# Altium PCB Cell Characterization Board V1.1.PcbDoc (part 1 of 2)
Units mm, origin at the board's own origin, x right, y up, seen from the top; angles counter-clockwise.
Board outline 178.87 x 183.46 mm, 4 copper layers (Top Layer, GND Plane, Power Plane, Bottom Layer), stack 1.746 mm thick; 105 components, 79 nets, 412 pads, 626 vias.
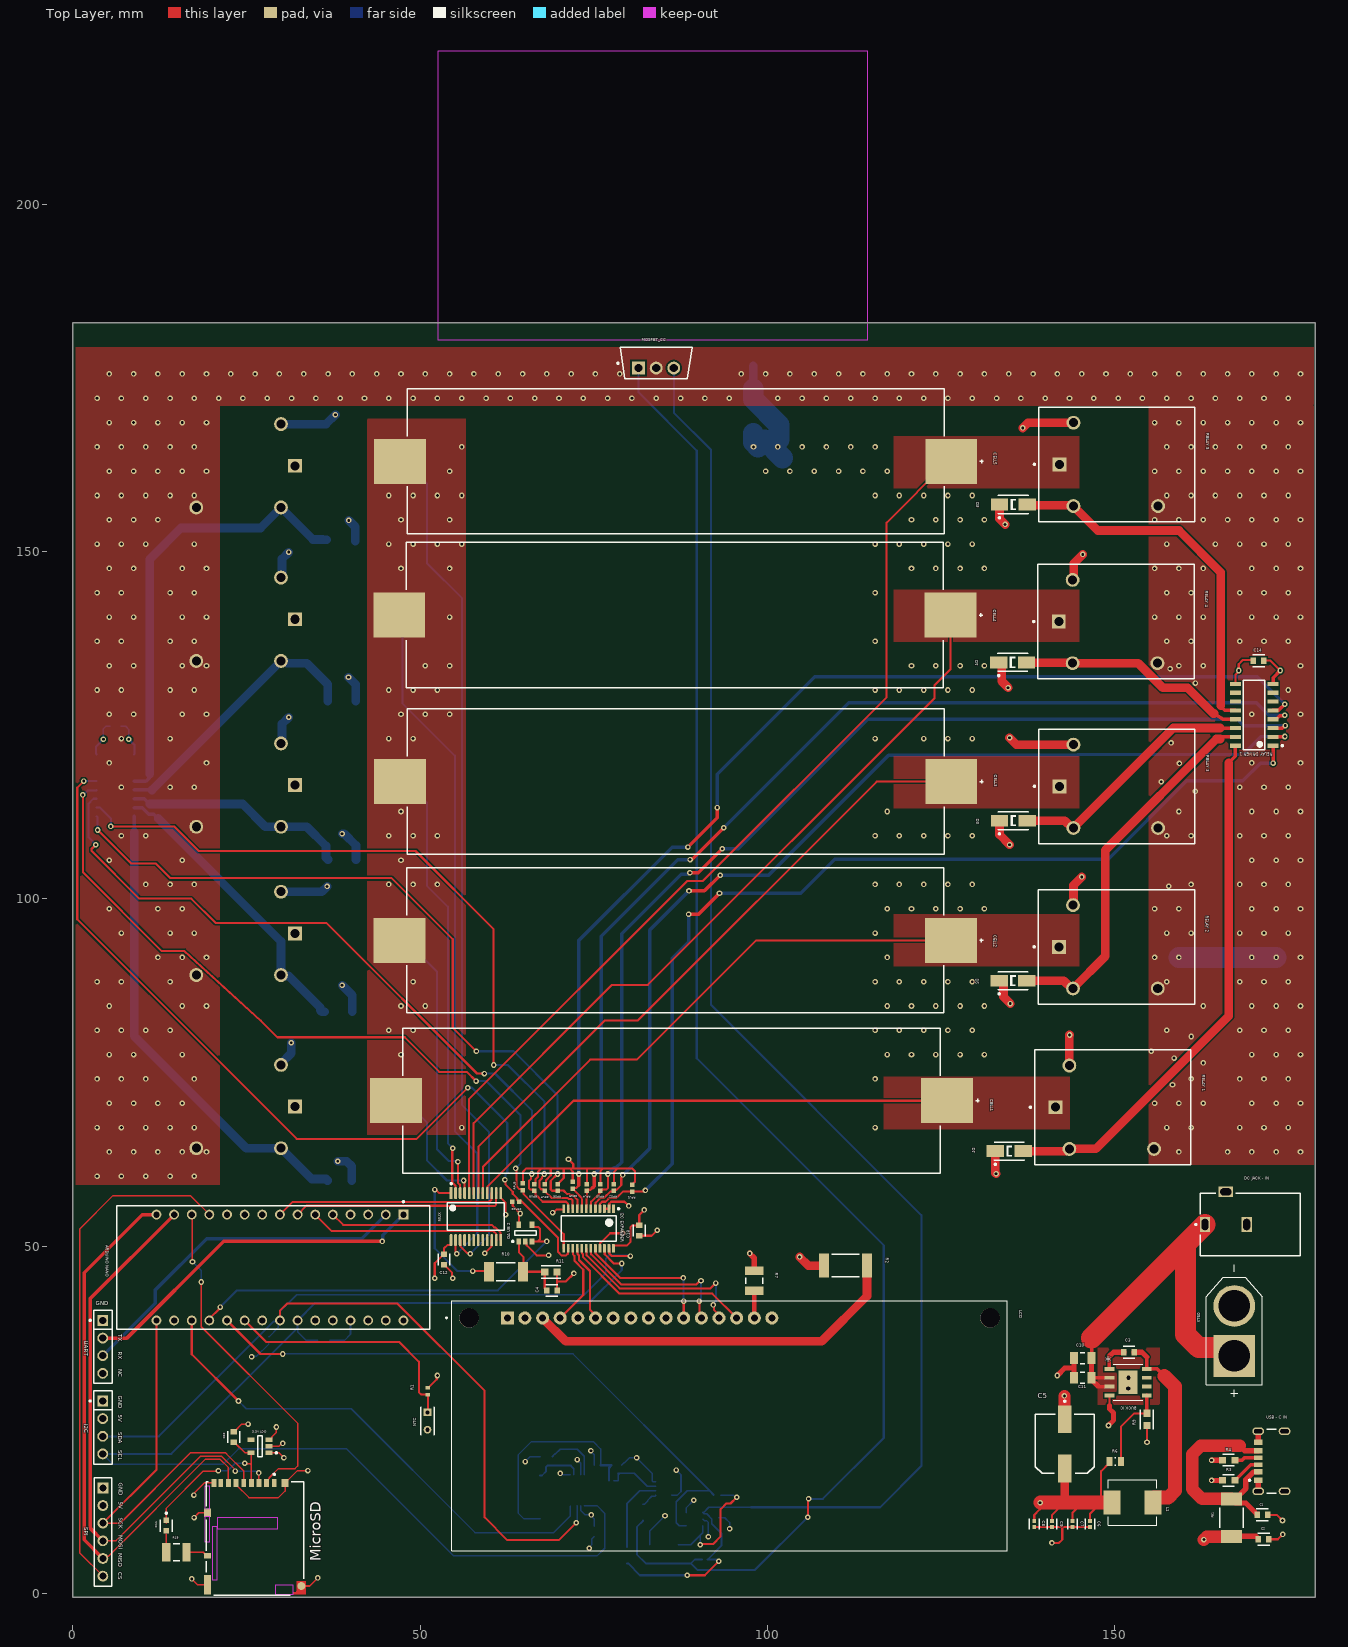
[diagram p0: Top Layer view]
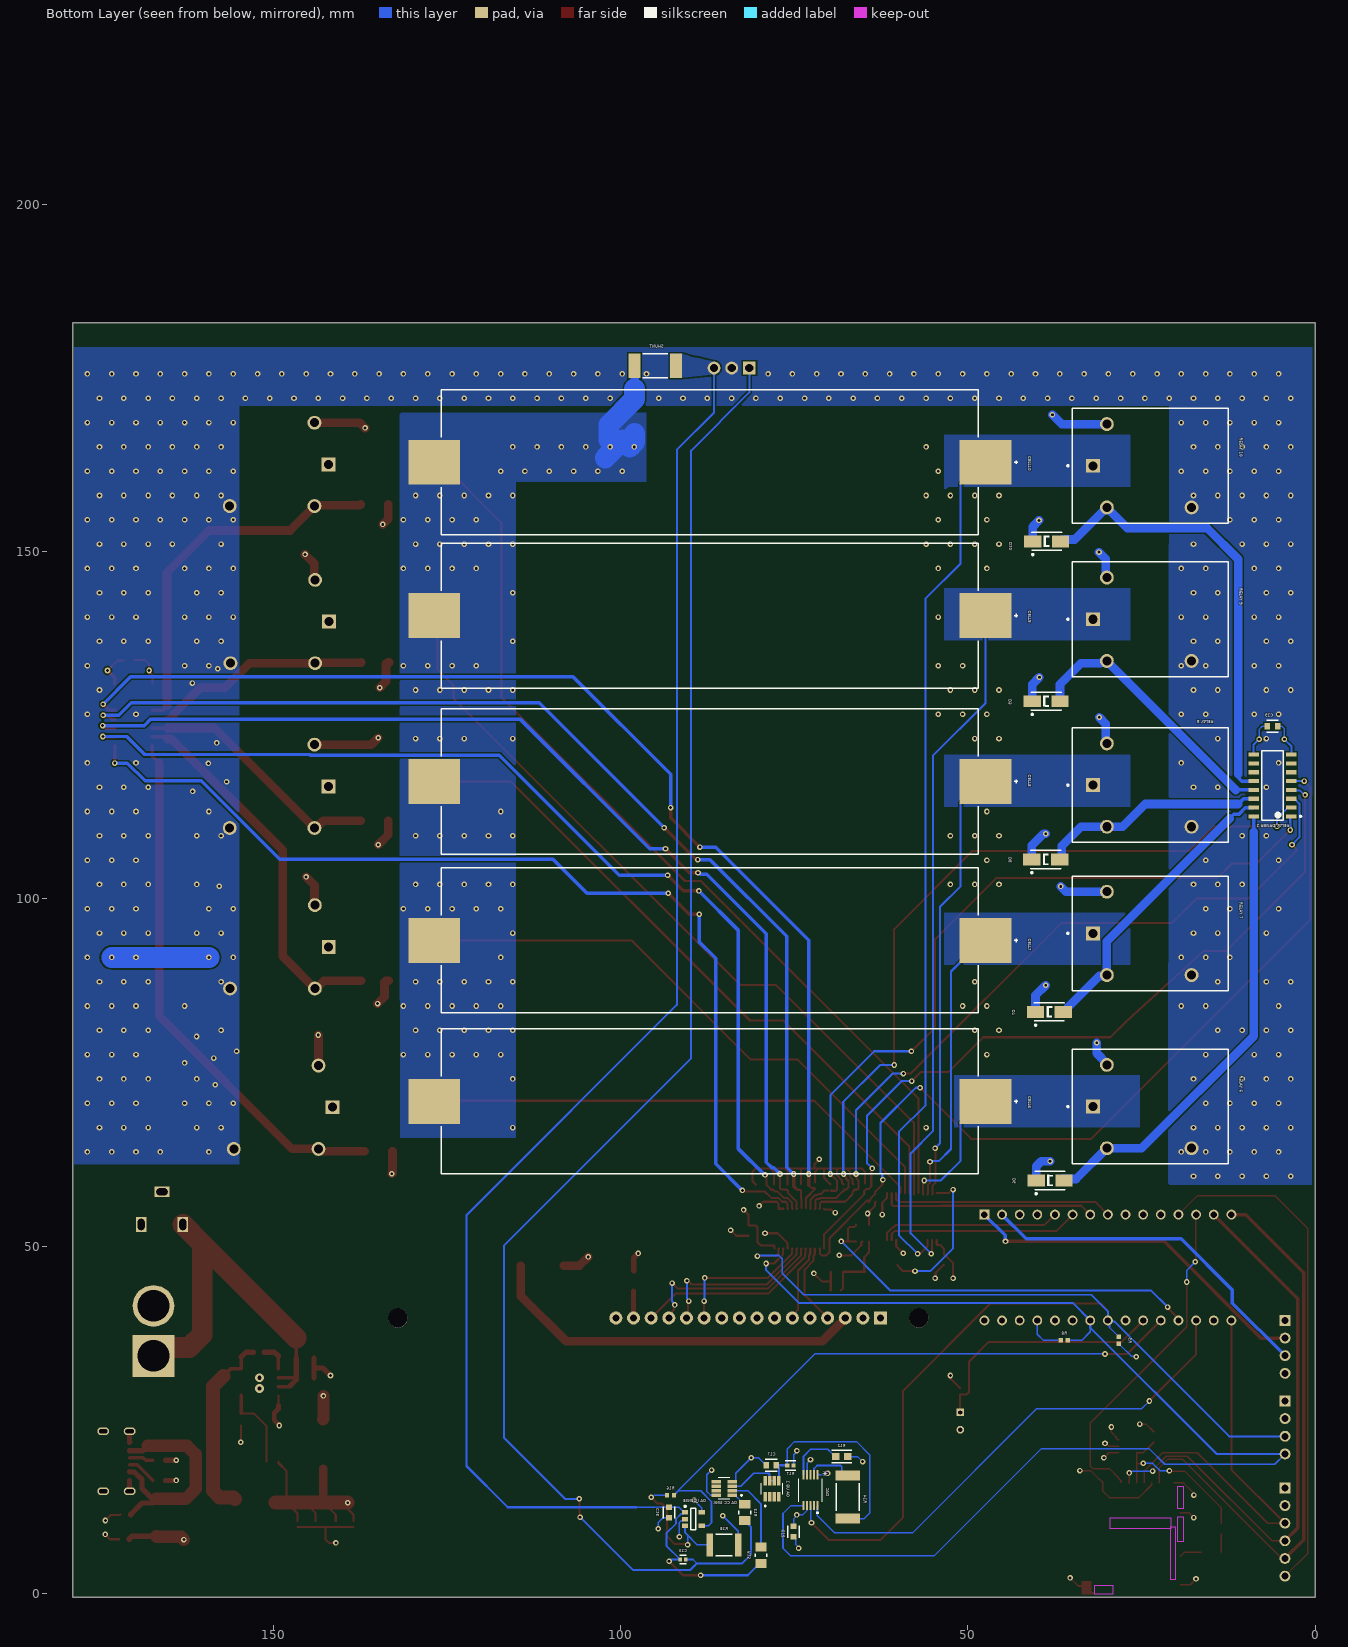
[diagram p1: Bottom Layer view, seen from below]
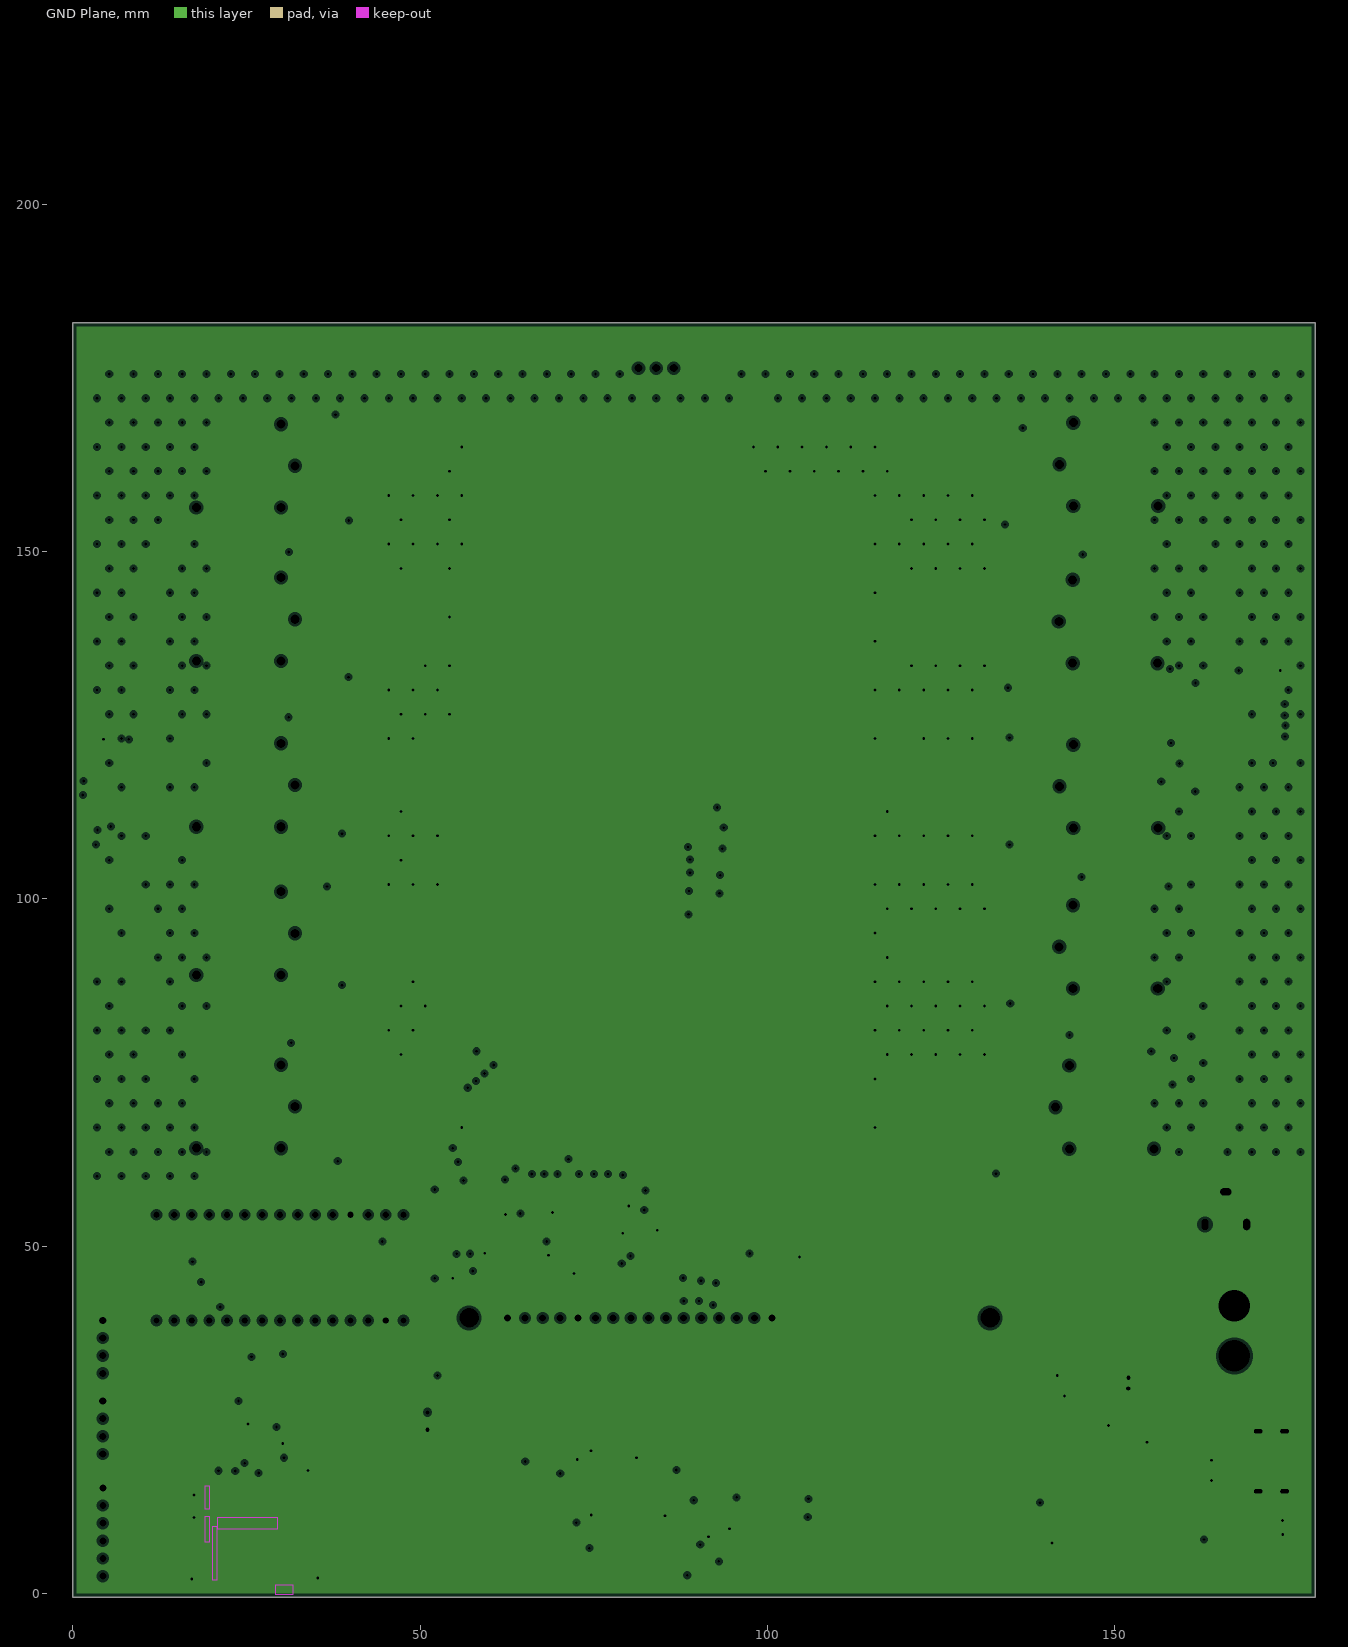
[diagram p2: GND Plane, clearances drawn from the general rule]
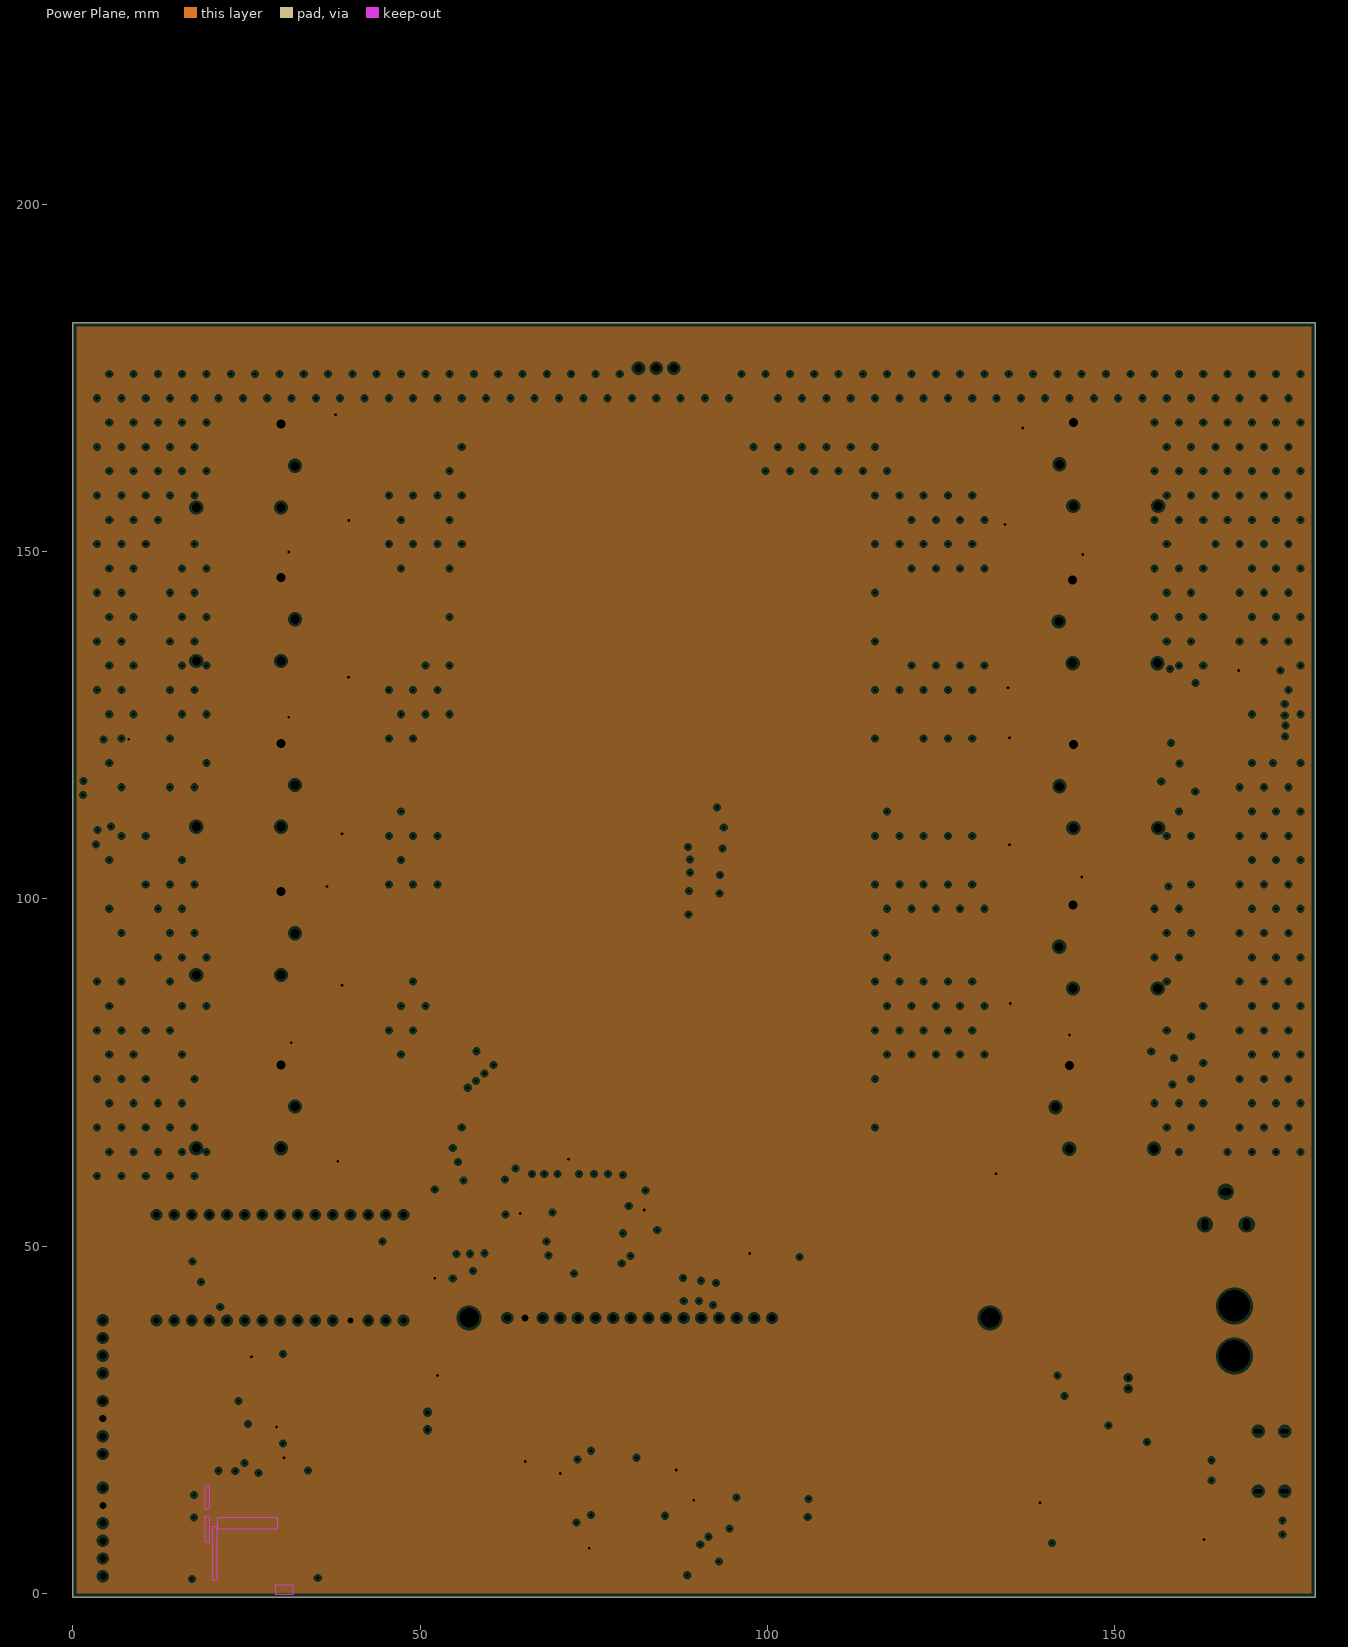
[diagram p3: Power Plane, clearances drawn from the general rule]
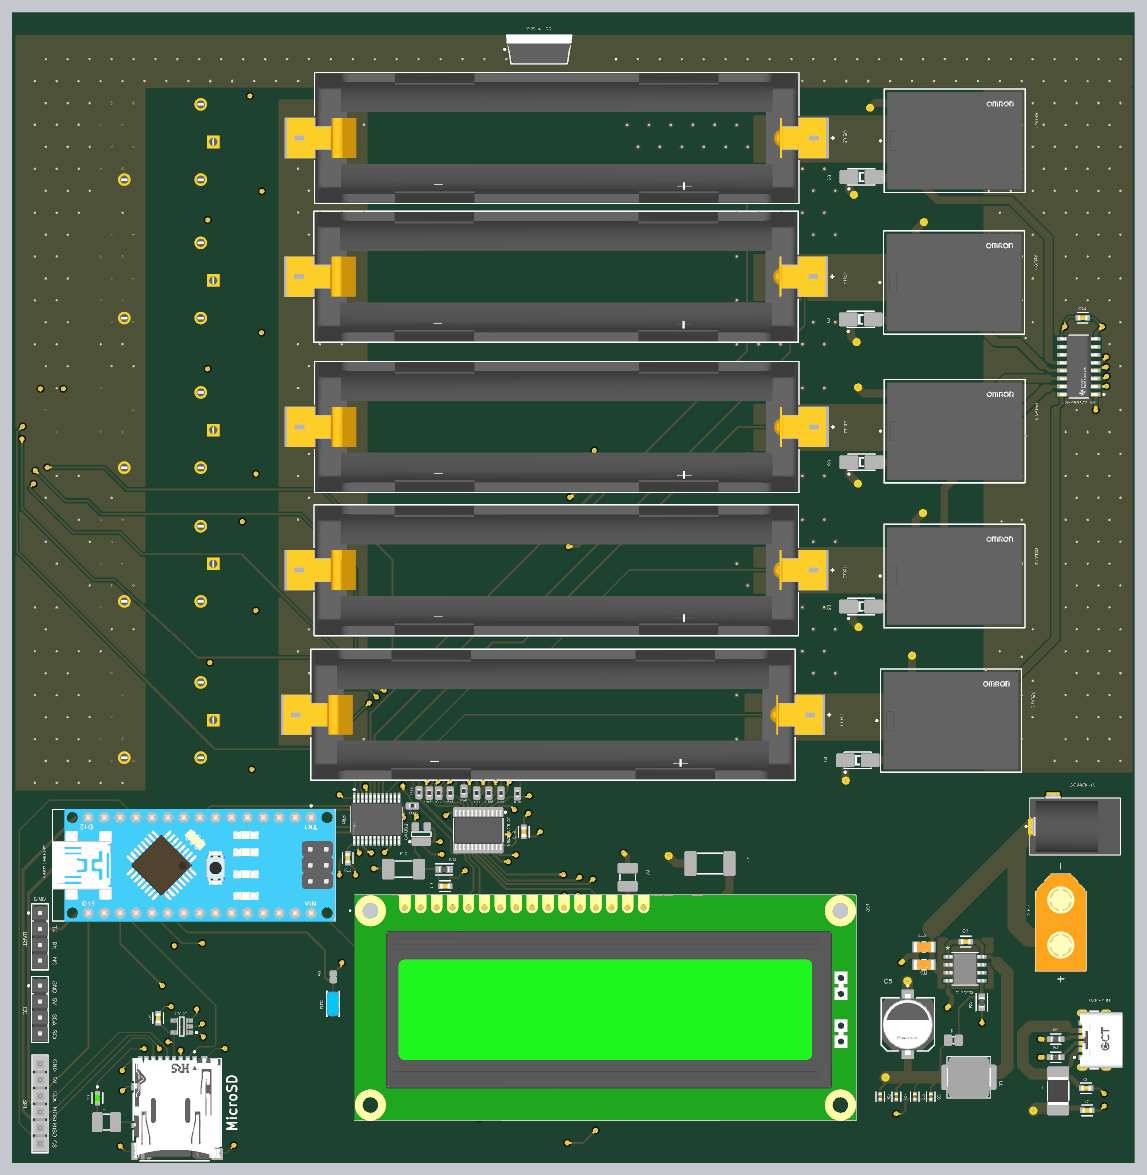
[diagram p5: 3D render of the assembled board from above, using the file's embedded part models]
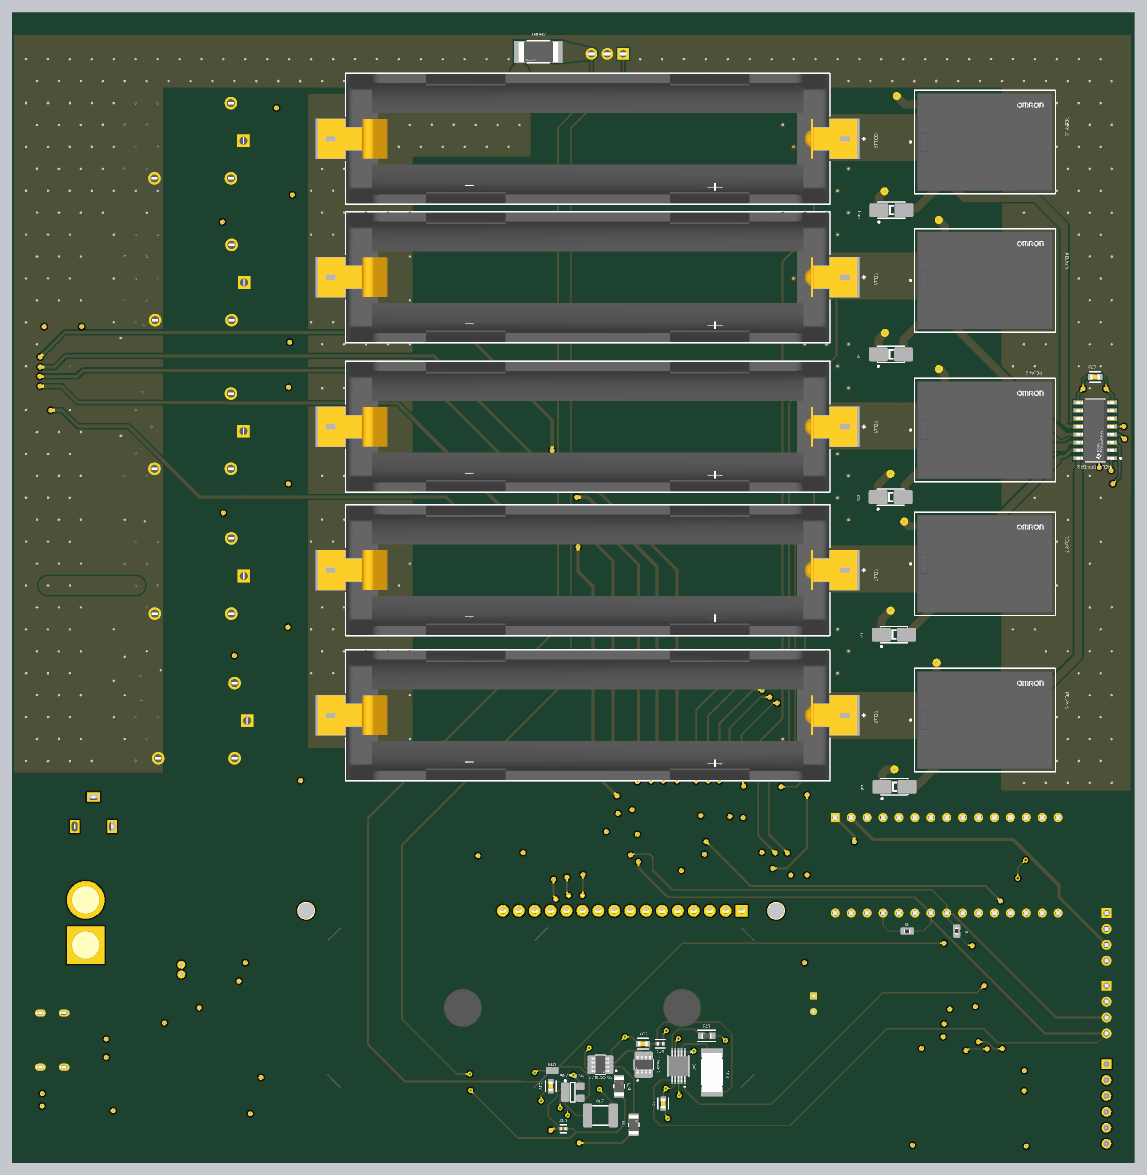
[diagram p6: 3D render of the assembled board from below, using the file's embedded part models]

## Layer stack, top to bottom
Top Solder: solder mask 0.0127, Solder Resist, Dk 3.3
Top Layer: signal copper 0.0178
Dielectric 2: prepreg 0.0711, PP-006, Dk 4.1
GND Plane: plane copper 0.035, net GND
Dielectric1: core 1.4986, FR-4, Dk 4.3
Power Plane: plane copper 0.035, net 5V
Dielectric 3: prepreg 0.0711, PP-006, Dk 4.1
Bottom Layer: signal copper 0.0178
Bottom Solder: solder mask 0.0127, Solder Resist, Dk 3.3

## Board outline
0,-0.559 0,182.905 178.867,182.905 178.867,-0.559

## Design rules (kind name [scope] priority, off if disabled: settings)
BoardOutlineClearance [All] p1: gap=0.2 ignorepadtopadclearanceinfootprint=FALSE
Clearance MicroSD [InComponent('MicroSD')] p1: gap=0 ignorepadtopadclearanceinfootprint=TRUE
Clearance [WithinRoom('DAC_Clearance')] p2: gap=0.08 ignorepadtopadclearanceinfootprint=TRUE
Clearance Clearance_1 [All] p3: gap=0.14 ignorepadtopadclearanceinfootprint=TRUE
ComponentClearance "Cell Holder" [InComponent('Cell*')] p1: gap=0.254 collisioncheckmode=3 verticalgap=0 showdistances=FALSE checkcomponentboundary=TRUE
ComponentClearance ComponentClearance_1 [All] p2: gap=0.254 collisioncheckmode=3 verticalgap=0.254 showdistances=FALSE
DiffPairsRouting [All] p1: maxlimit=0.254 minlimit=0.254 mostfreqgap=0.254 toplayer_minwidth=0.254 toplayer_maxwidth=0.254 toplayer_prefwidth=0.254 bottomlayer_minwidth=0.254 bottomlayer_maxwidth=0.254 bottomlayer_prefwidth=0.254 maxuncoupledlength=12.7
HoleSize [All] p1: absolutevalues=TRUE maxlimit=7.62 minlimit=0.254 maxpercent=80.000 minpercent=20.000
MinimumAnnularRing [All] p1: minimumring=0.18
MinimumSolderMaskSliver SLIVER_IC_GANGPADS [InComponent('OA UB 1') or InComponent('OA CC SINK') or   InComponent('OA UB 2')] p1: minsoldermaskwidth=0
MinimumSolderMaskSliver MinimumSolderMaskSliver_1 [All] p2: minsoldermaskwidth=0.14
PasteMaskExpansion [All] p1: expansion=0.254
PlaneClearance [All] p1: clearance=0.381
PlaneConnect [All] p1: planeconnectstyle=Relief reliefexpansion=0.508 reliefentries=4 reliefconductorwidth=0.254 reliefairgap=0.254
PolygonConnect [All] p1: connectstyle=Direct reliefconductorwidth=0.254 reliefentries=4 polygonreliefangle="90 Angle" airgapwidth=0.254
RoutingVias [All] p1: holewidth=0.4 width=0.8 viastyle="Through Hole" minholewidth=0.3 minwidth=0.7 maxholewidth=1 maxwidth=1.5
SMDNeckDown [All] p1: percent=100.000
SilkToSilkClearance [All] p1: silktosilkclearance=0.13
SilkToSolderMaskClearance SilkscreenOverComponentPads [IsPad] p1: minsilkscreentomaskgap=0.15 clearancetoexposedcopper=TRUE
SolderMaskExpansion [All] p1: expansion=0.254 istentingtop=FALSE
SupplyNets "Schematic Supply Nets_2" [InNet('3.3V')] p1: voltage=0.000
SupplyNets "Schematic Supply Nets_1" [InNet('5V')] p2: voltage=0.000
SupplyNets "Schematic Supply Nets" [InNet('GND')] p3: voltage=0.000
Width DAC [WithinRoom('DAC_Clearance')] p1: maxlimit=0.254 minlimit=0.2 preferedwidth=0.254 minimp=50.000000 maximp=50.000000 favimp=50.000000
Width [All] p2: maxlimit=3 minlimit=0.22 preferedwidth=2.5 bottomlayer_prefwidth=0.7 minimp=50.000000 maximp=50.000000 favimp=50.000000
21 further rules are at their usual default settings.

## Components (designator, comment, footprint, x,y, rotation, side; value= is the part's Value field where it differs from the comment)
"3.3V LDO" "MIC5504-3.3YM5-TR" FP-SOT23-5LD-PL-1-MFG 26.963,21.183 r180 top
"ARDUINO NANO" "A000005" FP-A000005-MFG 28.88,46.914 r270 top
"BUCK IC" "AP64502QSP-13" SO-8EP_DIO 151.94,30.404 r0 top
C1 "100nF" FP-CC0603-DA-MFG 171.274,11.33 r180 top value="100 nF"
C2 "100nF" FP-CC0603-DA-MFG 171.45,7.798 r180 top value="100 nF"
C3 "CC0603KPX7R9BB104" FP-CC0603-DA-MFG 152.075,34.729 r0 top value="100 nF"
C4 "CC0603KPX7R9BB104" FP-CC0603-DA-MFG 68.987,43.597 r0 top value="100 nF"
C5 "EEE-FT1H221GP" FP-FTF-MFG 142.821,21.513 r270 top
C6 "GRM155R61H474KE11D" FP-GRM155-0_1-IPC_B 146.484,9.979 r270 top
C7 "GRM155R61H474KE11D" FP-GRM155-0_1-IPC_B 143.933,9.979 r270 top
C8 "GRM155R61H474KE11D" FP-GRM155-0_1-IPC_B 138.43,9.979 r270 top
C9 "GRM155R61H474KE11D" FP-GRM155-0_1-IPC_B 140.995,9.979 r270 top
C10 "CL31A106KBHNNNE" FP-CL31-IPC_C 145.412,33.879 r180 top value=10uF
C11 "CL31A106KBHNNNE" FP-CL31-IPC_C 145.412,31.039 r180 top value=10uF
C12 "CC0603KPX7R9BB104" FP-CC0603-DA-MFG 53.442,48.057 r270 top value="100 nF"
C13 "C0402C103J3RACAUTO" FP-C0402-BB-MFG 91.006,4.881 r0 bottom value="10,000 pF"
C14 "CC0603KPX7R9BB104" FP-CC0603-DA-MFG 170.739,134.29 r0 top value="100 nF"
C15 "CC0603KPX7R9BB104" FP-CC0603-DA-MFG 75.086,8.894 r90 bottom value="100 nF"
C16 "CC0603KPX7R9BB104" FP-CC0603-DA-MFG 93.015,11.647 r270 bottom value="100 nF"
C17 "CC0603KPX7R9BB104" FP-CC0603-DA-MFG 78.302,18.444 r0 bottom value="100 nF"
C18 "CC0603KPX7R9BB104" FP-CC0603-DA-MFG 81.557,52.237 r270 top value="100 nF"
C19 "CC0603KPX7R9BB104" FP-CC0603-DA-MFG 6.147,124.841 r180 bottom value="100 nF"
C20 "CC0603KPX7R9BB104" FP-CC0603-DA-MFG 23.194,22.523 r270 top value="100 nF"
CELL1 "1042P" FP-1042P-MFG 86.206,70.929 r0 top locked
CELL2 "1042P" FP-1042P-MFG 86.739,94.018 r0 top
CELL3 "1042P" FP-1042P-MFG 86.79,116.878 r0 top
CELL4 "1042P" FP-1042P-MFG 86.688,140.856 r0 top
CELL5 "1042P" FP-1042P-MFG 86.79,162.979 r0 top
CELL6 "1042P" FP-1042P-MFG 87.136,70.851 r180 bottom
CELL7 "1042P" FP-1042P-MFG 87.136,94.016 r180 bottom
CELL8 "1042P" FP-1042P-MFG 87.136,116.901 r180 bottom
CELL9 "1042P" FP-1042P-MFG 87.136,140.756 r180 bottom
CELL10 "1042P" FP-1042P-MFG 87.136,162.85 r180 bottom
D1 "S1M-13-F" DIOD-S1M-13-F-SMA-2_V 134.835,63.672 r180 top
D2 "S1M-13-F" DIOD-S1M-13-F-SMA-2_V 135.369,88.209 r180 top
D3 "S1M-13-F" DIOD-S1M-13-F-SMA-2_V 135.419,111.246 r180 top
D4 "S1M-13-F" DIOD-S1M-13-F-SMA-2_V 135.318,134.03 r180 top
D5 "S1M-13-F" DIOD-S1M-13-F-SMA-2_V 135.419,156.763 r180 top
D6 "S1M-13-F" DIOD-S1M-13-F-SMA-2_V 38.159,59.444 r0 bottom
D7 "S1M-13-F" DIOD-S1M-13-F-SMA-2_V 38.252,83.718 r0 bottom
D8 "S1M-13-F" DIOD-S1M-13-F-SMA-2_V 38.786,105.664 r0 bottom
D9 "S1M-13-F" DIOD-S1M-13-F-SMA-2_V 38.735,128.448 r0 bottom
D10 "S1M-13-F" DIOD-S1M-13-F-SMA-2_V 38.659,151.46 r0 bottom
D11 "CD LED" FP-LTST-C190GKT-MFG 13.483,9.754 r270 top
DAC "DAC60501ZDGSR" DGS10_TEX 72.648,14.863 r270 bottom
"DC JACK - IN" "PJ-102BH" CUI-PJ-102BH_V 166.012,53.111 r0 top
FB1 "74279252" WE-CBF_1812_L4.5W3.2H1.5_HC 166.824,10.905 r270 top
I2C "TSW-104-23-T-S" FP-TSW-104-23-T-S-MFG 4.328,23.887 r270 top
"I2C EXPANDER" "PCF8575PWR" PW0024A_L 74.27,52.527 r270 top
L1 "MGAH06036R8M-10" IND_MGAH06036R8M-10 152.575,13.08 r180 top value=6.8µH
LCD "LCD-16X2" MODULE_LCD-16X2 94.564,24.155 r0 top
MicroSD "DM3AT-SF-PEJM5(40)" FP-DM3AT-SF-PEJM5_40-MFG 26.238,7.925 r0 top
MOSFET_CC "IRLB8748PBF" FP-PG-TO220-3-MFG 83.998,177.114 r90 top
MUX "CD74HC4067SM96" FP-DB0024A-IPC_C 58.054,54.246 r270 top